# Altium PCB CONTROLLER.PcbDoc (part 3 of 4) (continued)
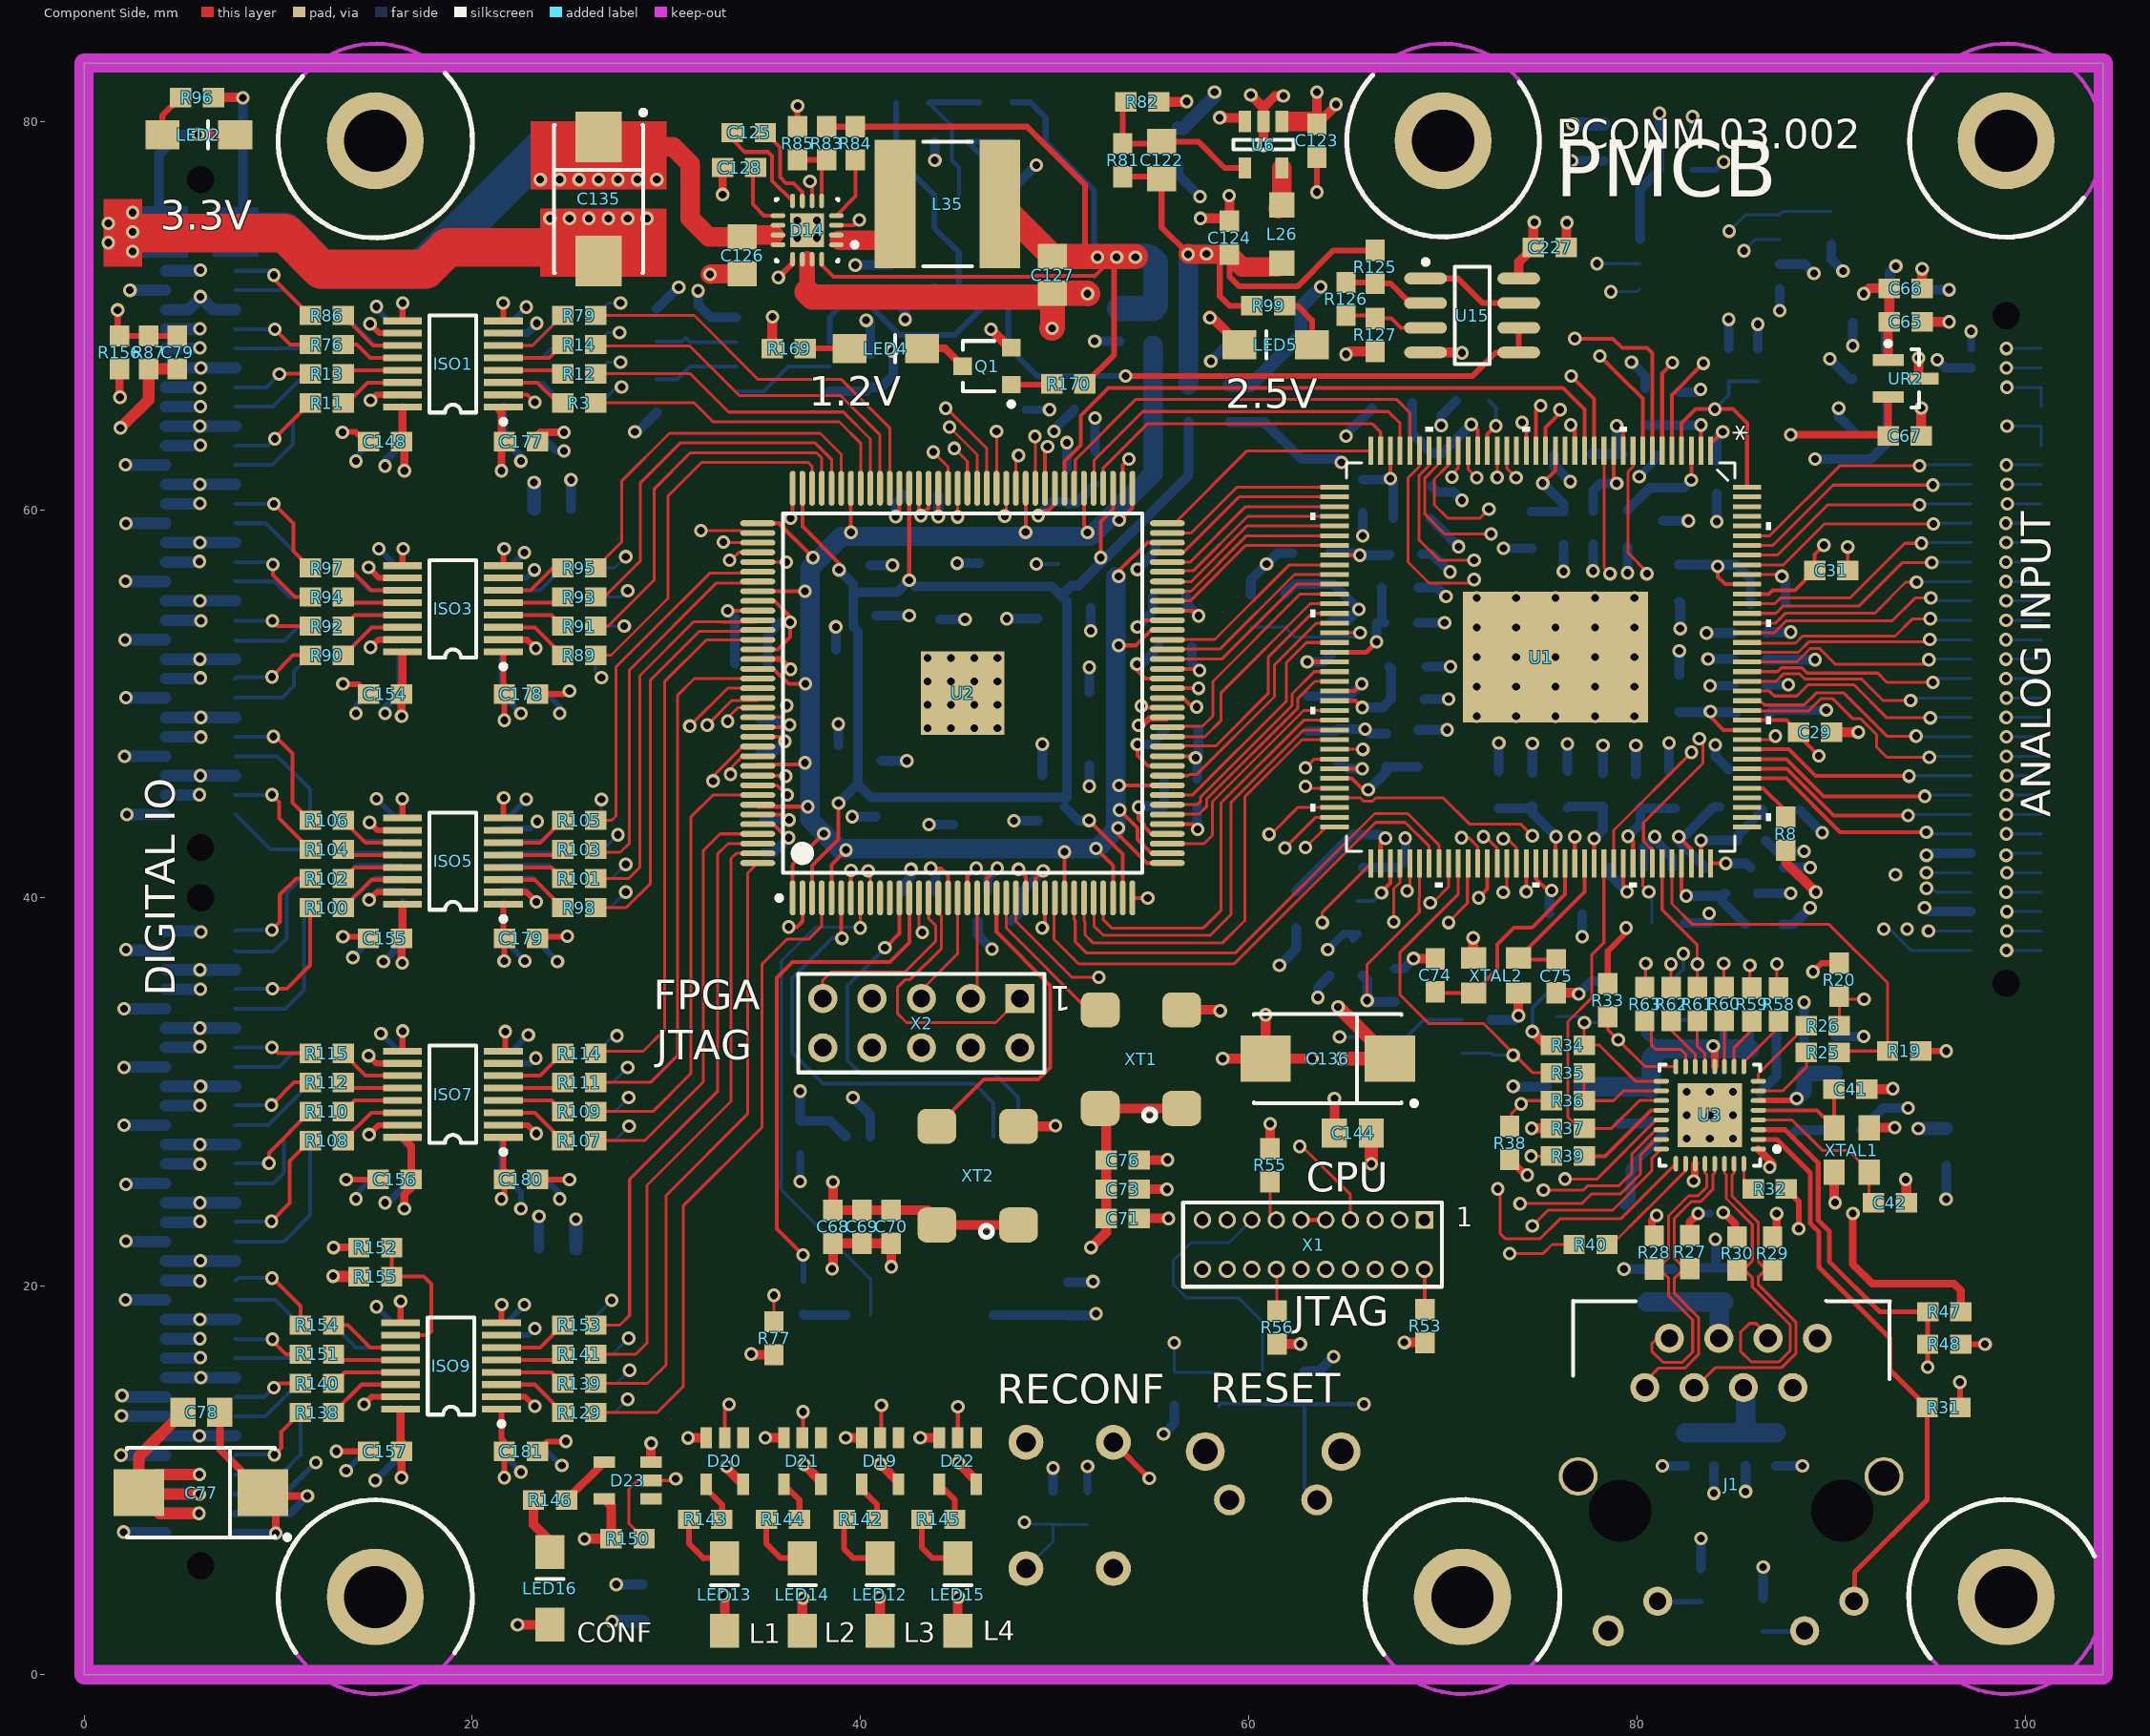
[diagram p0: Component Side view]
## Nets (pads, with @x,y where several pads share a name; then routed paths per layer and width w, separated by ;. In a path a pad name is that pad's centre, name@x,y a point inside that pad or via, vN(x,y) a via of type N, cw(c..) or ccw(c..) an arc to the next point about the centre after c; other vN are vias at no path point) (continued)
INPUT13: R192.2 X3.8 | length 4.1
  Solder Side w0.2: X3.8@7.8,31.3 10.04,31.3 10.74,32 R192.2@11.65,32
INPUT14: R190.2 X3.11 | length 4.8
  Solder Side w0.2: X3.11@7.8,28.3 9.479,28.3 11.65,30.471 R190.2@11.65,30.5
INPUT15: R188.2 X3.14 | length 6.4
  Solder Side w0.2: X3.14@7.8,25.3 9.755,25.3 10.287,25.832 10.287,27.637 R188.2@11.65,29
INPUT16: R186.2 X3.17 | length 8.3
  Solder Side w0.2: X3.17@7.8,22.3 10.286,22.3 11.65,23.664 R186.2@11.65,27.5
INPUT17: R200.2 X3.20 | length 3.9
  Solder Side w0.2: X3.20@7.8,19.3 9.85,19.3 R200.2@11.15,18
INPUT18: R198.2 X3.23 | length 3.4
  Solder Side w0.2: X3.23@7.8,16.3 10.95,16.3 R198.2@11.15,16.5
INPUT19: R196.2 X3.26 | length 4.1
  Solder Side w0.2: X3.26@7.8,13.3 9.338,13.3 11.038,15 R196.2@11.15,15
INPUT20: R194.2 X3.29 | length 6
  Solder Side w0.2: X3.29@7.8,10.3 7.813,10.287 10.109,10.287 11.15,11.328 R194.2@11.15,13.5
JTAG_TCK: U2.16 X2.1 | length 14.1
  Component Side w0.15: U2.16@44,40 44,39.22 44.166,39.054 44.166,37.409 42.555,35.798 42.301,35.798 41.91,35.408 41.91,34.036 42.367,33.579 46.965,33.579 X2.1@48.209,34.823
JTAG_TDI: U2.15 X2.9 | length 10
  Component Side w0.15: X2.9@38.049,34.823 38.049,35.763 38.481,36.195 42.291,36.195 43.866,37.77 43.866,38.583 43.5,38.948 U2.15@43.5,40
JTAG_TDO: U2.20 X2.3 | length 5.3
  Component Side w0.15: X2.3@45.669,34.823 46,35.154 U2.20@46,40
JTAG_TMS: U2.18 X2.5 | length 6
  Component Side w0.15: X2.5@43.129,34.823 43.129,35.255 45,37.126 U2.18@45,40
MII_COL: R17.1 R63.1 U1.71 | length 28.8
  Component Side w0.15: v1(61.849,42.57) 63.434,44.156 U1.71@64.409,44.156 ; R63.1@80.387,35.38 80.442,35.435 v1(80.442,36.627)
  Inner Layer 1 w0.15: v1(61.849,42.57) 63.5,44.221 67.793,44.221 71.206,40.808 71.206,39.746 71.572,39.38 72.09,39.38 72.108,39.398 74.879,36.627 v1(80.442,36.627)
  Solder Side w0.15: R17.1@80.387,35.38 80.387,36.572 v1(80.442,36.627)
MII_CRS: R62.1 U1.26 | length 41.4
  Component Side w0.15: U1.26@71.284,63.031 71.284,62.092 v1(71.73,61.646) ; R62.1@81.743,35.38 v1(81.743,36.595)
  Inner Layer 1 w0.15: v1(71.73,61.646) 70.815,62.56 70.053,62.56 67.386,59.893 67.386,45.593 72.476,40.503 72.476,40.026 72.842,39.659 73.32,39.659 75.819,37.16 80.091,37.16 80.183,37.252 81.087,37.252 v1(81.743,36.595)
MII_MDC/BOOT_2: R34.2 R132.2 R133.1 U1.81 U3.17 | length 22.5
  Component Side w0.15: v1(69.342,39.751) 69.469,39.751 70.284,40.566 U1.81@70.284,41.781 ; v1(77.274,33.586) R34.2@77.274,32.417 78.048,32.417 79.899,30.565 U3.17@81.24,30.565
  Inner Layer 1 w0.15: v1(69.342,39.751) 69.342,38.791 72.116,36.017 73.431,36.017 75.862,33.586 v1(77.274,33.586)
  Solder Side w0.15: R132.2@75.844,33.897 76.964,33.897 v1(77.274,33.586) 78.124,33.586 R133.1@78.562,34.024
MII_MDIO: R33.2 U1.22 U3.16 | length 56.2
  Component Side w0.15: U1.22@73.284,63.031 73.284,62.124 v1(73.762,61.646) ; R33.2@78.482,33.883 78.482,33.227 v1(79.019,32.69) 80.394,31.315 U3.16@81.99,31.315
  Inner Layer 1 w0.15: v1(73.762,61.646) 74.625,62.509 83.972,62.509 84.775,61.707 84.775,47.493 84.836,47.432 84.836,42.387 85.184,42.04 85.184,40.318 ; v1(79.019,32.69) 80.95,34.62 87.224,34.62 87.823,35.22 87.823,37.678 85.184,40.318 ; 85.471,40.03 85.184,40.318
MII_PHYINTRN/BOOT_3: R35.1 R130.2 R131.1 U1.82 | length 20.3
  Component Side w0.15: U1.82@70.784,41.781 70.784,40.202 67.767,37.186 67.767,35.027 69.266,33.528 72.085,33.528 v1@73.711,31.902 ; v1(73.609,31.902) v1@73.711,31.902 ; R35.1@75.574,30.989 74.624,30.989 v1@73.711,31.902
  Solder Side w0.15: R130.2@70.942,32.018 R131.1@72.466,32.018 72.581,31.902 v1(73.609,31.902)
MII_PHYRSTN: R37.2 U1.97 U3.19 | length 19.2
  Component Side w0.15: R37.2@76.962,28.169 76.429,28.702 76.429,33.63 77.648,34.849 77.648,37.059 78.284,37.695 U1.97@78.284,41.781 ; R37.2@77.274,28.134 78.68,28.134 80.111,29.565 U3.19@81.24,29.565
MII_RXCK: R19.2 R25.1 U1.104 | length 20.9
  Component Side w0.15: U1.104@81.784,41.781 81.784,39.704 82.855,38.633 89.891,38.633 92.897,35.627 R19.2@92.897,32.117 90.482,32.117 R25.1@90.406,32.041
MII_RXD0: R15.1 R60.1 U1.77 | length 23.1
  Component Side w0.15: v1(68.148,40.361) 68.25,40.361 68.284,40.395 U1.77@68.284,41.781 ; R60.1@84.456,35.38 v1(84.456,36.626)
  Inner Layer 1 w0.15: v1@68.326,40.183 v1(68.148,40.361) 68.316,40.528 69.885,40.528 74.737,35.677 83.507,35.677 v1(84.456,36.626)
  Solder Side w0.15: R15.1@84.451,35.38 84.451,36.621 v1(84.456,36.626)
MII_RXD1: R16.1 R59.1 U1.27 | length 40.2
  Component Side w0.15: v1(70.46,61.671) 70.46,61.824 70.784,62.148 U1.27@70.784,63.031 ; v1(85.801,36.525) 85.801,35.391 R59.1@85.812,35.38
  Inner Layer 1 w0.15: v1(70.46,61.671) 68.412,59.624 68.412,49.114 73.975,43.551 73.975,42.947 79.152,37.77 84.557,37.77 v1(85.801,36.525)
  Solder Side w0.15: v1(85.801,36.525) 85.822,36.504 R16.1@85.822,35.38
MII_RXD2: R21.2 R58.1 U1.69 | length 29
  Component Side w0.15: U1.69@64.409,45.156 65.74,45.156 65.903,44.993 66.38,44.993 66.543,45.156 70.008,45.156 71.349,43.815 73.99,43.815 v1(74.6,43.205) ; R58.1@87.198,35.38 v1(87.198,36.601)
  Inner Layer 1 w0.15: v1(74.6,43.205) 76.225,41.58 82.22,41.58 v1(87.198,36.601)
  Solder Side w0.15: R21.2@87.173,35.343 87.173,36.576 v1(87.198,36.601)
MII_RXD3: R20.2 R26.1 U1.23 | length 48
  Component Side w0.15: v1(72.784,61.659) U1.23@72.784,63.031 ; R26.1@90.406,33.413 90.406,34.779 90.399,34.786 v1(91.682,34.786)
  Inner Layer 1 w0.15: v1(72.784,61.659) 74.625,63.5 83.896,63.5 85.547,61.849 85.547,40.691 91.452,34.786 v1(91.682,34.786)
MII_RXDV/BOOT0: R40.1 R136.2 R137.1 U1.78 | length 30.9
  Component Side w0.15: v1(66.091,34.722) 66.091,36.576 68.774,39.259 68.774,39.506 68.767,39.513 68.767,39.989 68.784,40.006 U1.78@68.784,41.781 ; v1(73.431,21.692) 75.159,21.692 75.616,22.149 R40.1@76.747,22.149
  Inner Layer 1 w0.15: v1(66.091,34.722) 66.091,32.182 69.723,28.55 69.723,24.816 72.847,21.692 v1(73.431,21.692)
  Solder Side w0.5: R136.2@65.85,36 66.091,35.759 v1(66.091,34.722) 66.163,34.65 R137.1@67.5,34.65
MII_RXER: R18.2 R61.1 U1.103 | length 8.3
  Component Side w0.15: U1.103@81.284,41.781 81.284,39.392 83.1,37.576 v1(83.1,36.592) R61.1@83.1,35.38
  Solder Side w0.15: v1(83.1,36.592) 83.116,36.575 R18.2@83.116,35.415
MII_TXCK: R39.1 U1.70 | length 29.3
  Component Side w0.15: v1(61.036,43.282) 61.138,43.282 62.512,44.656 U1.70@64.409,44.656 ; v1(74.537,26.707) R39.1@75.574,26.707
  Inner Layer 1 w0.15: v1(61.036,43.282) 61.036,42.499 62.139,41.396 63.574,41.396 67.464,37.506 68.737,37.506 69.748,36.495 69.748,35.509 72.923,32.334 72.923,27.33 73.547,26.707 v1(74.537,26.707)
MII_TXD0: U1.68 U3.22 | length 40.6
  Component Side w0.15: v1(62.916,45.745) 63.005,45.656 U1.68@64.409,45.656 ; v1(75.168,24.952) 77.225,24.952 77.445,25.171 79.045,25.171 79.731,25.857 79.731,26.826 80.97,28.065 U3.22@81.24,28.065
  Inner Layer 1 w0.15: v1(62.916,45.745) 62.88,45.781 61.3,45.781 60.202,44.683 60.202,41.728 61.29,40.64 63.652,40.64 72.288,32.004 72.288,26.721 74.057,24.952 v1(75.168,24.952)
MII_TXD1: U1.73 U3.23 | length 32.9
  Component Side w0.15: v1(63.779,38.735) 63.779,39.276 U1.73@66.284,41.781 ; v1(73.965,24.257) 77.14,24.257 77.639,24.756 79.145,24.756 80.162,25.773 80.162,26.758 80.97,27.565 U3.23@81.24,27.565
  Inner Layer 1 w0.15: v1(63.779,38.735) 63.779,38.583 70.993,31.369 70.993,25.679 72.415,24.257 v1(73.965,24.257)
MII_TXD2: U1.64 U3.24 | length 49
  Component Side w0.15: U1.64@64.409,47.656 v1(65.868,47.656) ; v1(74.6,23.114) 75.413,23.927 78.74,23.927 80.747,25.933 80.747,26.572 U3.24@81.24,27.065
  Inner Layer 1 w0.15: v1(65.868,47.656) 61.778,47.656 58.75,44.628 58.75,40.792 63.475,36.068 65.151,36.068 65.872,35.347 66.35,35.347 66.716,34.981 66.716,33.614 70.434,29.896 70.434,25.248 72.568,23.114 v1(74.6,23.114)
MII_TXD3: U1.65 U3.25 | length 45.8
  Component Side w0.15: v1(62.916,46.711) 63.361,47.156 U1.65@64.409,47.156 ; v1(72.822,25.019) 72.949,24.892 72.949,22.708 73.203,22.454 75.006,22.454 76.022,23.47 79.144,23.47 U3.25@81.99,26.315
  Inner Layer 1 w0.15: v1(62.916,46.711) 61.595,46.711 59.411,44.526 59.411,41.3 60.808,39.903 63.495,39.903 71.73,31.669 71.73,26.111 v1(72.822,25.019)
MII_TXEN: U1.72 U3.21 | length 32.6
  Component Side w0.15: v1(62.916,42.596) 63.976,43.656 U1.72@64.409,43.656 ; v1(76.276,25.527) 76.292,25.511 77.915,25.511 80.97,28.565 U3.21@81.24,28.565
  Inner Layer 1 w0.15: v1(62.916,42.596) 63.17,42.596 66.38,39.385 68.057,39.385 72.111,35.331 73.375,35.331 76.276,32.431 v1(76.276,25.527)
MII_TXER: R36.1 R38.2 U1.76 | length 18.8
  Component Side w0.15: v1(67.462,38.76) 67.462,40.488 67.784,40.809 U1.76@67.784,41.781 ; R38.2@73.533,28.18 73.533,28.905 v1(74.016,29.388) 74.19,29.562 R36.1@75.574,29.562
  Inner Layer 1 w0.15: v1(67.462,38.76) 67.978,38.76 74.234,32.504 74.234,29.606 v1(74.016,29.388)
MOEN_EPI0S28: U1.57 U2.42 | length 12
  Component Side w0.15: U2.42@55.8,44.3 55.823,44.323 57.429,44.323 57.815,44.709 57.815,45.082 62.525,49.792 62.525,50.282 63.399,51.156 U1.57@64.409,51.156
MWEN_EPI0S29: U1.56 U2.43 | length 11.9
  Component Side w0.15: U2.43@55.8,44.8 55.806,44.806 57.353,44.806 57.515,44.968 57.515,45.207 62.225,49.917 62.225,50.516 63.365,51.656 U1.56@64.409,51.656
NBHEN_EPI0S0: U1.33 U2.77 | length 19.9
  Component Side w0.15: U2.77@52,61.1 52.019,61.119 52.019,62.535 54.534,65.049 67.183,65.049 67.784,64.449 U1.33@67.784,63.031
NBLEN_EPI0S0: U1.32 U2.79 | length 22.3
  Component Side w0.15: U2.79@51,61.1 51.054,61.154 51.054,62.56 54.178,65.684 67.589,65.684 68.284,64.99 U1.32@68.284,63.031
NCS0_EPI0S26: U1.79 U2.28 | length 26.4
  Component Side w0.15: U2.28@50,40 49.962,39.962 49.962,37.871 51.232,36.601 59.233,36.601 66.523,43.891 68.049,43.891 69.284,42.656 U1.79@69.284,41.781
NCS1_EPI0S27: U1.80 U2.30 | length 25.9
  Component Side w0.15: U2.30@51,40 51,38.891 51.054,38.837 51.054,37.744 51.638,37.16 59.284,37.16 66.472,44.348 68.177,44.348 69.784,42.742 U1.80@69.784,41.781
NetC1_1: C1.1 U1.1 | length 2.8
  Component Side w0.2: U1.1@83.784,63.031 83.784,63.388 v1(84.404,64.008)
  Solder Side w0.5: C1.1@84.099,62.521 84.099,63.703 v1(84.404,64.008)
NetC2_1: C2.1 L10.1 U1.2 | length 4.2
  Component Side w0.2: U1.2@83.284,63.031 v1(83.284,64.361)
  Solder Side w0.5: L10.1@80.41,64.344 83.267,64.344 v1(83.284,64.361)
NetC3_1: C3.1 L4.1 U1.3 | length 5.4
  Component Side w0.2: v1(82.784,61.519) U1.3@82.784,63.031
  Solder Side w0.5: L4.1@79.502,59.98 80.647,61.124 C3.1@81.331,61.124 82.389,61.124 v1(82.784,61.519)
NetC4_1: C4.1 L12.1 U1.10 | length 4.7
  Component Side w0.2: v1(78.943,64.313) 79.284,63.972 U1.10@79.284,63.031
  Solder Side w0.5: L12.1@77.626,62.83 77.661,62.865 C4.1@79.262,62.865 78.943,63.183 v1(78.943,64.313)
NetC5_1: C5.1 U1.11 | length 4.5
  Component Side w0.2: U1.11@78.784,63.031 78.784,61.196 v1(78.943,61.355)
  Solder Side w0.5: C5.1@77.724,59.93 77.724,60.96 78.119,61.355 v1(78.943,61.355)
NetC6_1: C6.1 L13.1 U1.17 | length 5.5
  Component Side w0.2: v1(75.133,61.366) 75.784,62.017 U1.17@75.784,63.031
  Solder Side w0.5: L13.1@74.549,59.903 74.551,59.905 C6.1@76.2,59.905 76.2,60.3 v1(75.133,61.366)
NetC7_1: C7.1 L11.1 U1.67 | length 5.2
  Component Side w0.2: U1.67@64.409,46.156 65.299,46.156 65.888,45.568 v1(66.142,45.568)
  Solder Side w0.5: v1(66.142,45.568) 67.075,46.501 C7.1@67.075,46.765 67.085,46.755 L11.1@68.712,46.755
NetC8_1: C8.1 U1.66 | length 2.8
  Component Side w0.2: U1.66@64.409,46.656 v1(65.833,46.656)
  Solder Side w0.5: C8.1@64.567,46.978 64.756,46.978 65.079,46.656 v1(65.833,46.656)
NetC9_1: C9.1 L14.1 U1.59 | length 5
  Component Side w0.2: U1.59@64.409,50.156 65.49,50.156 v1(65.837,49.809)
  Solder Side w0.5: v1(65.837,49.809) 66.892,49.809 C9.1@67.324,50.241 67.324,51.818 L14.1@67.224,51.918
NetC10_1: C10.1 U1.58 | length 4.6
  Component Side w0.2: U1.58@64.409,50.656 65.439,50.656 v1(65.811,51.029)
  Solder Side w0.5: C10.1@63.043,50.394 65.176,50.394 v1(65.811,51.029)
NetC11_1: C11.1 U1.55 | length 2.9
  Component Side w0.25: v1(63.002,52.156) U1.55@64.409,52.156
  Solder Side w0.5: v1(63.002,52.156) 63.852,52.156 C11.1@64.287,52.592
NetC12_2: C12.2 L18.1 U1.34 | length 5
  Component Side w0.2: v1(67.284,61.596) U1.34@67.284,63.031
  Solder Side w0.5: C12.2@65.862,61.556 67.244,61.556 v1(67.284,61.596) 67.427,61.453 L18.1@67.427,59.563
NetC13_2: C13.2 L16.1 U1.25 | length 7.2
  Component Side w0.2: v1(71.45,64.389) 71.501,64.389 71.784,64.106 U1.25@71.784,63.031
  Solder Side w0.5: L16.1@68.402,65.496 68.402,63.918 69.418,62.902 69.963,62.902 v1(71.45,64.389)
NetC14_2: C14.2 U1.24 | length 2.9
  Component Side w0.2: U1.24@72.284,63.031 72.284,63.876 v1(72.72,64.313)
  Solder Side w0.2: C14.2@72.376,65.608 72.72,65.264 v1(72.72,64.313)
NetC15_2: C15.2 L17.1 U1.44 | length 4.4
  Component Side w0.2: U1.44@64.409,57.656 v1(65.708,57.656)
  Solder Side w0.5: L17.1@64.145,57.76 65.604,57.76 v1(65.708,57.656) 67.169,57.656 C15.2@67.222,57.709
NetC16_2: C16.2 L15.1 U1.54 | length 5.7
  Component Side w0.25: U1.54@64.409,52.656 66.042,52.656 v1(66.573,53.188)
  Solder Side w0.5: v1(66.573,53.188) 66.573,54.178 C16.2@66.993,54.178 66.843,54.329 L15.1@66.843,55.982
NetC17_1: C17.1 L1.1 U1.74 | length 7.3
  Component Side w0.2: U1.74@66.784,41.781 66.784,42.832 v1(67.031,43.078)
  Solder Side w0.5: L1.1@62.433,40.345 65.356,43.268 C17.1@65.862,43.268 66.841,43.268 v1(67.031,43.078)
NetC18_1: C18.1 U1.75 | length 3.1
  Component Side w0.2: v1(66.827,40.259) 66.827,40.313 67.284,40.769 U1.75@67.284,41.781
  Solder Side w0.2: C18.1@65.608,39.839 66.407,39.839 v1(66.827,40.259)
NetC19_1: C19.1 U1.90 | length 3.1
  Component Side w0.2: U1.90@74.784,41.781 74.784,40.989 75.387,40.386 v1(75.59,40.386)
  Solder Side w0.5: C19.1@75.471,39.183 75.471,40.266 v1(75.59,40.386)
NetC20_1: C20.1 L19.1 U1.92 | length 5.3
  Component Side w0.2: U1.92@75.784,41.781 75.784,43.119 v1(75.819,43.155)
  Solder Side w0.5: L19.1@72.873,44.618 74.474,44.618 C20.1@74.6,44.743 74.6,44.374 v1(75.819,43.155)
NetC21_2: C21.2 L20.1 U1.96 | length 5
  Component Side w0.2: U1.96@77.784,41.781 v1(77.784,43.062)
  Solder Side w0.5: L20.1@76.403,44.643 76.478,44.718 C21.2@78.232,44.718 78.232,43.51 v1(77.784,43.062)
NetC22_2: C22.2 U1.99 | length 3.2
  Component Side w0.2: U1.99@79.284,41.781 79.284,40.625 79.477,40.432 v1(79.477,40.31)
  Solder Side w0.5: C22.2@78.632,41.584 78.632,41.154 v1(79.477,40.31)
NetC23_2: C23.2 L21.1 U1.100 | length 5.1
  Component Side w0.2: v1(79.527,43.18) 79.784,42.924 U1.100@79.784,41.781
  Solder Side w0.5: v1(79.527,43.18) 80.162,43.815 80.162,44.692 80.237,44.618 L21.1@81.966,44.618
NetC24_2: C24.2 L22.1 U1.105 | length 5.8
  Component Side w0.2: U1.105@82.284,41.781 82.284,40.347 v1(82.525,40.107)
  Solder Side w0.5: v1(82.525,40.107) C24.2@84.394,40.107 ; C24.2@84.525,40.238 C24.2@84.394,40.107 ; L22.1@85.568,38.637 84.394,39.811 C24.2@84.394,40.107
NetC25_2: C25.2 L5.1 U1.106 | length 6.5
  Component Side w0.2: v1(82.144,43.155) 82.144,43.13 82.784,42.49 U1.106@82.784,41.781
  Solder Side w0.5: C25.2@83.507,41.558 82.144,42.922 v1(82.144,43.155) 82.404,43.155 83.943,44.694 L5.1@84.252,44.694
NetC26_2: C26.2 L6.1 U1.107 | length 5.4
  Component Side w0.2: U1.107@83.284,41.781 v1(83.284,42.974)
  Solder Side w0.5: v1(83.284,42.974) 84.887,42.974 84.919,42.942 85.155,42.942 85.155,43.2 86.199,44.243 86.457,44.243 L6.1@86.457,44.53
NetC27_2: C27.2 U1.108 | length 2.1
  Component Side w0.2: U1.108@83.784,41.781 v1(84.559,41.781)
  Solder Side w0.5: v1(84.559,41.781) 85.623,41.781 C27.2@85.834,41.57
NetC30_2: C30.2 L3.2 U1.119 | length 5.4
  Component Side w0.2: v1(83.769,49.606) 83.769,49.327 84.44,48.656 U1.119@85.659,48.656
  Solder Side w0.5: L3.2@82.169,49.571 84.973,49.571 C30.2@85.072,49.472
NetC32_2: C32.2 L2.2 U1.134 | length 7.5
  Component Side w0.2: v1(84.15,57.074) 84.15,56.54 84.535,56.156 U1.134@85.659,56.156
  Solder Side w0.5: L2.2@82.144,57.16 85.105,57.16 85.838,56.427 C32.2@85.838,55.118
NetC41_1: C41.1 U3.5 XTAL1.3 | length 6.3
  Component Side w0.2: U3.5@86.24,29.065 89.248,29.065 XTAL1.3@90.145,28.169 90.145,30.138 C41.1@90.133,30.15
NetC42_2: C42.2 U3.4 XTAL1.1 | length 8.6
  Component Side w0.15: U3.4@86.24,28.565 87.97,28.565 89.535,27 90.881,27 91.945,25.937 XTAL1.1@91.945,25.869 91.945,24.216 C42.2@91.909,24.181
NetC43_2: C43.2 J1.5 R41.1 R43.1 R45.2 | length 7
  Solder Side w1: R41.1@82.481,12.454 R43.1@87.154,12.454 ; J1.5@85.503,14.753 85.58,14.677 C43.2@85.58,12.454
NetC44_2: C44.2 J1.4 R42.1 R44.1 R46.2 | length 5.9
  Solder Side w1: R42.1@80.5,19.187 84.455,19.187 84.233,18.965 J1.4@84.233,17.293
NetC74_2: C74.2 U1.93 XTAL2.1 | length 11.2
  Component Side w0.2: C74.2@69.596,35.167 69.66,35.103 XTAL2.1@71.577,35.103 72.796,36.322 72.796,37.617 73.66,38.481 74.574,38.481 76.284,40.19 U1.93@76.284,41.781
NetC75_1: C75.1 U1.95 XTAL2.3 | length 8.3
  Component Side w0.2: C75.1@75.819,36.816 73.964,36.816 XTAL2.3@73.877,36.903 77.284,40.309 U1.95@77.284,41.781
NetC122_1: C122.1 R81.1 R82.2 U6.4 | length 9.1
  Component Side w0.3: R82.2@53.65,81 53.5,80.85 R81.1@53.5,78.85 55.4,78.85 C122.1@55.5,78.95 57.397,78.95 58.75,77.597 U6.4@59.793,77.597
NetC125_1: C125.1 D14.8 | length 5.5
  Component Side w0.2: C125.1@33.39,79.416 33.39,79.074 34.045,78.419 35.245,78.419 35.445,78.219 35.445,76.944 D14.8@36.495,75.894
NetC125_2: C125.2 D14.7 | length 4.5
  Component Side w0.2: C125.2@35.09,79.416 35.845,78.661 35.845,77.119 36.145,76.819 36.545,76.819 36.995,76.369 D14.7@36.995,75.894
NetC128_2: C128.2 D14.9 | length 3.5
  Component Side w0.2: C128.2@34.595,77.619 34.445,77.469 34.445,75.719 35.02,75.144 D14.9@35.745,75.144
NetD14_1: D14.1 D14.2 L35.1 | length 1.9
  Component Side w1: 38.913,73.869 L35.1@40.849,73.869
NetD14_4: D14.4 R84.1 | length 3
  Component Side w0.2: D14.4@38.745,75.144 39.745,76.144 R84.1@39.745,77.769
NetD14_5: D14.5 R83.1 R85.2 | length 3.5
  Component Side w0.2: D14.5@37.995,75.894 R83.1@37.995,77.519 ; R83.1@37.995,77.773 R83.1@38.245,78.023
  Component Side w0.3: R85.2@36.745,78.023 R83.1@38.245,78.023
NetD19_4: D19.4 R142.1 | length 2
  Component Side w0.3: D19.4@40,9.6 40.85,8.75 R142.1@40.85,8
NetD20_4: D20.4 R143.1 | length 2.1
  Component Side w0.3: D20.4@32.05,9.8 32.05,9.555 32.868,8.738 32.868,8.018 R143.1@32.85,8
NetD21_4: D21.4 R144.1 | length 2.1
  Component Side w0.3: D21.4@36.05,9.8 36.85,9 R144.1@36.85,8
NetD22_4: D22.4 R145.1 | length 2.1
  Component Side w0.3: D22.4@44.05,9.8 44.85,9 R145.1@44.85,8
NetD23_4: D23.4 R146.1 | length 2.8
  Component Side w0.4: R146.1@24.85,9 D23.4@26.8,10.95
NetISO1_3: ISO1.3 R3.1 | length 3.5
  Component Side w0.2: ISO1.3@21.6,66.548 23.343,66.548 24.391,65.5 R3.1@24.65,65.5
NetISO1_4: ISO1.4 R12.1 | length 3.1
  Component Side w0.2: ISO1.4@21.6,67.183 24.468,67.183 R12.1@24.65,67
NetISO1_5: ISO1.5 R14.1 | length 3.3
  Component Side w0.2: ISO1.5@21.6,67.818 23.968,67.818 R14.1@24.65,68.5
NetISO1_6: ISO1.6 R79.1 | length 3.7
  Component Side w0.15: ISO1.6@21.6,68.453 23.103,68.453 R79.1@24.65,70
NetISO1_11: ISO1.11 R86.2 | length 3.7
  Component Side w0.2: R86.2@13.35,70 14.898,68.453 ISO1.11@16.4,68.453
NetISO1_12: ISO1.12 R76.2 | length 3.3
  Component Side w0.2: R76.2@13.35,68.5 14.05,68.5 14.732,67.818 ISO1.12@16.4,67.818
NetISO1_13: ISO1.13 R13.2 | length 3.1
  Component Side w0.2: R13.2@13.35,67 13.533,67.183 ISO1.13@16.4,67.183
NetISO1_14: ISO1.14 R11.2 | length 3.5
  Component Side w0.2: R11.2@13.35,65.5 13.557,65.5 14.605,66.548 ISO1.14@16.4,66.548
NetISO2_3: ISO2.3 R160.1 | length 3.5
  Solder Side w0.2: R160.1@13.35,65.5 13.582,65.5 14.63,66.547 ISO2.3@16.4,66.547
NetISO2_4: ISO2.4 R162.1 | length 3.1
  Solder Side w0.2: R162.1@13.35,67 13.532,67.182 ISO2.4@16.4,67.182
NetISO2_5: ISO2.5 R164.1 | length 3.3
  Solder Side w0.2: R164.1@13.35,68.5 14.05,68.5 14.733,67.817 ISO2.5@16.4,67.817
NetISO2_6: ISO2.6 R166.1 | length 3.7
  Solder Side w0.2: R166.1@13.35,70 13.439,70 14.987,68.452 ISO2.6@16.4,68.452
NetISO2_11: ISO2.11 R167.2 | length 3.7
  Solder Side w0.2: ISO2.11@21.6,68.452 23.102,68.452 R167.2@24.65,70
NetISO2_12: ISO2.12 R165.2 | length 3.3
  Solder Side w0.2: ISO2.12@21.6,67.817 23.621,67.817 24.304,68.5 R165.2@24.65,68.5
NetISO2_13: ISO2.13 R163.2 | length 3.1
  Solder Side w0.2: ISO2.13@21.6,67.182 24.467,67.182 R163.2@24.65,67
NetISO2_14: ISO2.14 R161.2 | length 3.5
  Solder Side w0.2: ISO2.14@21.6,66.547 23.603,66.547 R161.2@24.65,65.5
NetISO3_3: ISO3.3 R89.1 | length 3.6
  Component Side w0.2: ISO3.3@21.6,53.94 23.211,53.94 R89.1@24.65,52.5
NetISO3_4: ISO3.4 R91.1 | length 3.3
  Component Side w0.2: ISO3.4@21.6,54.575 24.076,54.575 R91.1@24.65,54
NetISO3_5: ISO3.5 R93.1 | length 3.2
  Component Side w0.2: ISO3.5@21.6,55.21 24.36,55.21 R93.1@24.65,55.5
NetISO3_6: ISO3.6 R95.1 | length 3.5
  Component Side w0.2: ISO3.6@21.6,55.845 23.002,55.845 24.158,57 R95.1@24.65,57
NetISO3_11: ISO3.11 R97.2 | length 3.5
  Component Side w0.2: R97.2@13.35,57 13.637,57 14.793,55.845 ISO3.11@16.4,55.845
NetISO3_12: ISO3.12 R94.2 | length 3.2
  Component Side w0.2: R94.2@13.35,55.5 13.641,55.21 ISO3.12@16.4,55.21
NetISO3_13: ISO3.13 R92.2 | length 3.3
  Component Side w0.2: R92.2@13.35,54 13.925,54.575 ISO3.13@16.4,54.575
NetISO3_14: ISO3.14 R90.2 | length 3.6
  Component Side w0.2: R90.2@13.35,52.5 13.384,52.5 14.824,53.94 ISO3.14@16.4,53.94
NetISO4_3: ISO4.3 R168.1 | length 3.6
  Solder Side w0.2: R168.1@13.35,52.5 13.359,52.5 14.798,53.94 ISO4.3@16.304,53.94
NetISO4_4: ISO4.4 R172.1 | length 3.2
  Solder Side w0.2: R172.1@13.35,54 13.924,54.575 ISO4.4@16.304,54.575
NetISO4_5: ISO4.5 R174.1 | length 3.1
  Solder Side w0.2: R174.1@13.35,55.5 13.64,55.21 ISO4.5@16.304,55.21
NetISO4_6: ISO4.6 R176.1 | length 3.4
  Solder Side w0.2: R176.1@13.35,57 13.536,57 14.691,55.845 ISO4.6@16.304,55.845
NetISO4_11: ISO4.11 R177.2 | length 3.6
  Solder Side w0.2: ISO4.11@21.504,55.845 23.494,55.845 R177.2@24.65,57
NetISO4_12: ISO4.12 R175.2 | length 3.3
  Solder Side w0.2: ISO4.12@21.504,55.21 24.359,55.21 R175.2@24.65,55.5
NetISO4_13: ISO4.13 R173.2 | length 3.4
  Solder Side w0.2: ISO4.13@21.504,54.575 24.075,54.575 R173.2@24.65,54
NetISO4_14: ISO4.14 R171.2 | length 3.7
  Solder Side w0.2: ISO4.14@21.504,53.94 23.21,53.94 R171.2@24.65,52.5
NetISO5_3: ISO5.3 R98.1 | length 3.6
  Component Side w0.2: ISO5.3@21.6,40.94 23.21,40.94 R98.1@24.65,39.5
NetISO5_4: ISO5.4 R101.1 | length 3.3
  Component Side w0.2: ISO5.4@21.6,41.575 24.075,41.575 R101.1@24.65,41
NetISO5_5: ISO5.5 R103.1 | length 3.2
  Component Side w0.2: ISO5.5@21.6,42.21 24.36,42.21 R103.1@24.65,42.5
NetISO5_6: ISO5.6 R105.1 | length 3.5
  Component Side w0.2: ISO5.6@21.6,42.845 23.495,42.845 R105.1@24.65,44
NetISO5_11: ISO5.11 R106.2 | length 3.5
  Component Side w0.2: R106.2@13.35,44 14.505,42.845 ISO5.11@16.4,42.845
NetISO5_12: ISO5.12 R104.2 | length 3.2
  Component Side w0.2: R104.2@13.35,42.5 13.64,42.21 ISO5.12@16.4,42.21
NetISO5_13: ISO5.13 R102.2 | length 3.3
  Component Side w0.2: R102.2@13.35,41 13.925,41.575 ISO5.13@16.4,41.575
NetISO5_14: ISO5.14 R100.2 | length 3.6
  Component Side w0.2: R100.2@13.35,39.5 14.79,40.94 ISO5.14@16.4,40.94
NetISO6_3: ISO6.3 R178.1 | length 3.7
  Solder Side w0.2: R178.1@13.35,39.5 13.44,39.5 14.081,40.142 14.081,40.152 14.977,41.047 ISO6.3@16.4,41.047
NetISO6_4: ISO6.4 R180.1 | length 3.3
  Solder Side w0.2: R180.1@13.35,41 14.032,41.682 ISO6.4@16.4,41.682
NetISO6_5: ISO6.5 R182.1 | length 3.1
  Solder Side w0.2: R182.1@13.35,42.5 13.532,42.317 ISO6.5@16.4,42.317
NetISO6_6: ISO6.6 R184.1 | length 3.5
  Solder Side w0.2: R184.1@13.35,44 14.397,42.952 ISO6.6@16.4,42.952
NetISO6_11: ISO6.11 R185.2 | length 3.5
  Solder Side w0.2: ISO6.11@21.6,42.952 23.602,42.952 R185.2@24.65,44
NetISO6_12: ISO6.12 R183.2 | length 3.1
  Solder Side w0.2: ISO6.12@21.6,42.317 24.467,42.317 R183.2@24.65,42.5
NetISO6_13: ISO6.13 R181.2 | length 3.3
  Solder Side w0.2: ISO6.13@21.6,41.682 23.967,41.682 R181.2@24.65,41
NetISO6_14: ISO6.14 R179.2 | length 3.7
  Solder Side w0.2: ISO6.14@21.6,41.047 23.102,41.047 R179.2@24.65,39.5
NetISO7_3: ISO7.3 R107.1 | length 3.6
  Component Side w0.2: ISO7.3@21.6,28.94 23.211,28.94 R107.1@24.65,27.5
NetISO7_4: ISO7.4 R109.1 | length 3.3
  Component Side w0.2: ISO7.4@21.6,29.575 24.076,29.575 R109.1@24.65,29
NetISO7_5: ISO7.5 R111.1 | length 3.2
  Component Side w0.2: ISO7.5@21.6,30.21 24.36,30.21 R111.1@24.65,30.5
NetISO7_6: ISO7.6 R114.1 | length 3.5
  Component Side w0.2: ISO7.6@21.6,30.845 23.495,30.845 R114.1@24.65,32
NetISO7_11: ISO7.11 R115.2 | length 3.5
  Component Side w0.2: R115.2@13.35,32 14.506,30.845 ISO7.11@16.4,30.845
NetISO7_12: ISO7.12 R112.2 | length 3.2
  Component Side w0.2: R112.2@13.35,30.5 13.641,30.21 ISO7.12@16.4,30.21
NetISO7_13: ISO7.13 R110.2 | length 3.3
  Component Side w0.2: R110.2@13.35,29 13.925,29.575 ISO7.13@16.4,29.575
NetISO7_14: ISO7.14 R108.2 | length 3.6
  Component Side w0.2: R108.2@13.35,27.5 14.79,28.94 ISO7.14@16.4,28.94